# KiCad board px16_regfile.kicad_pcb
title: Pixie 16 register file; rev: 2
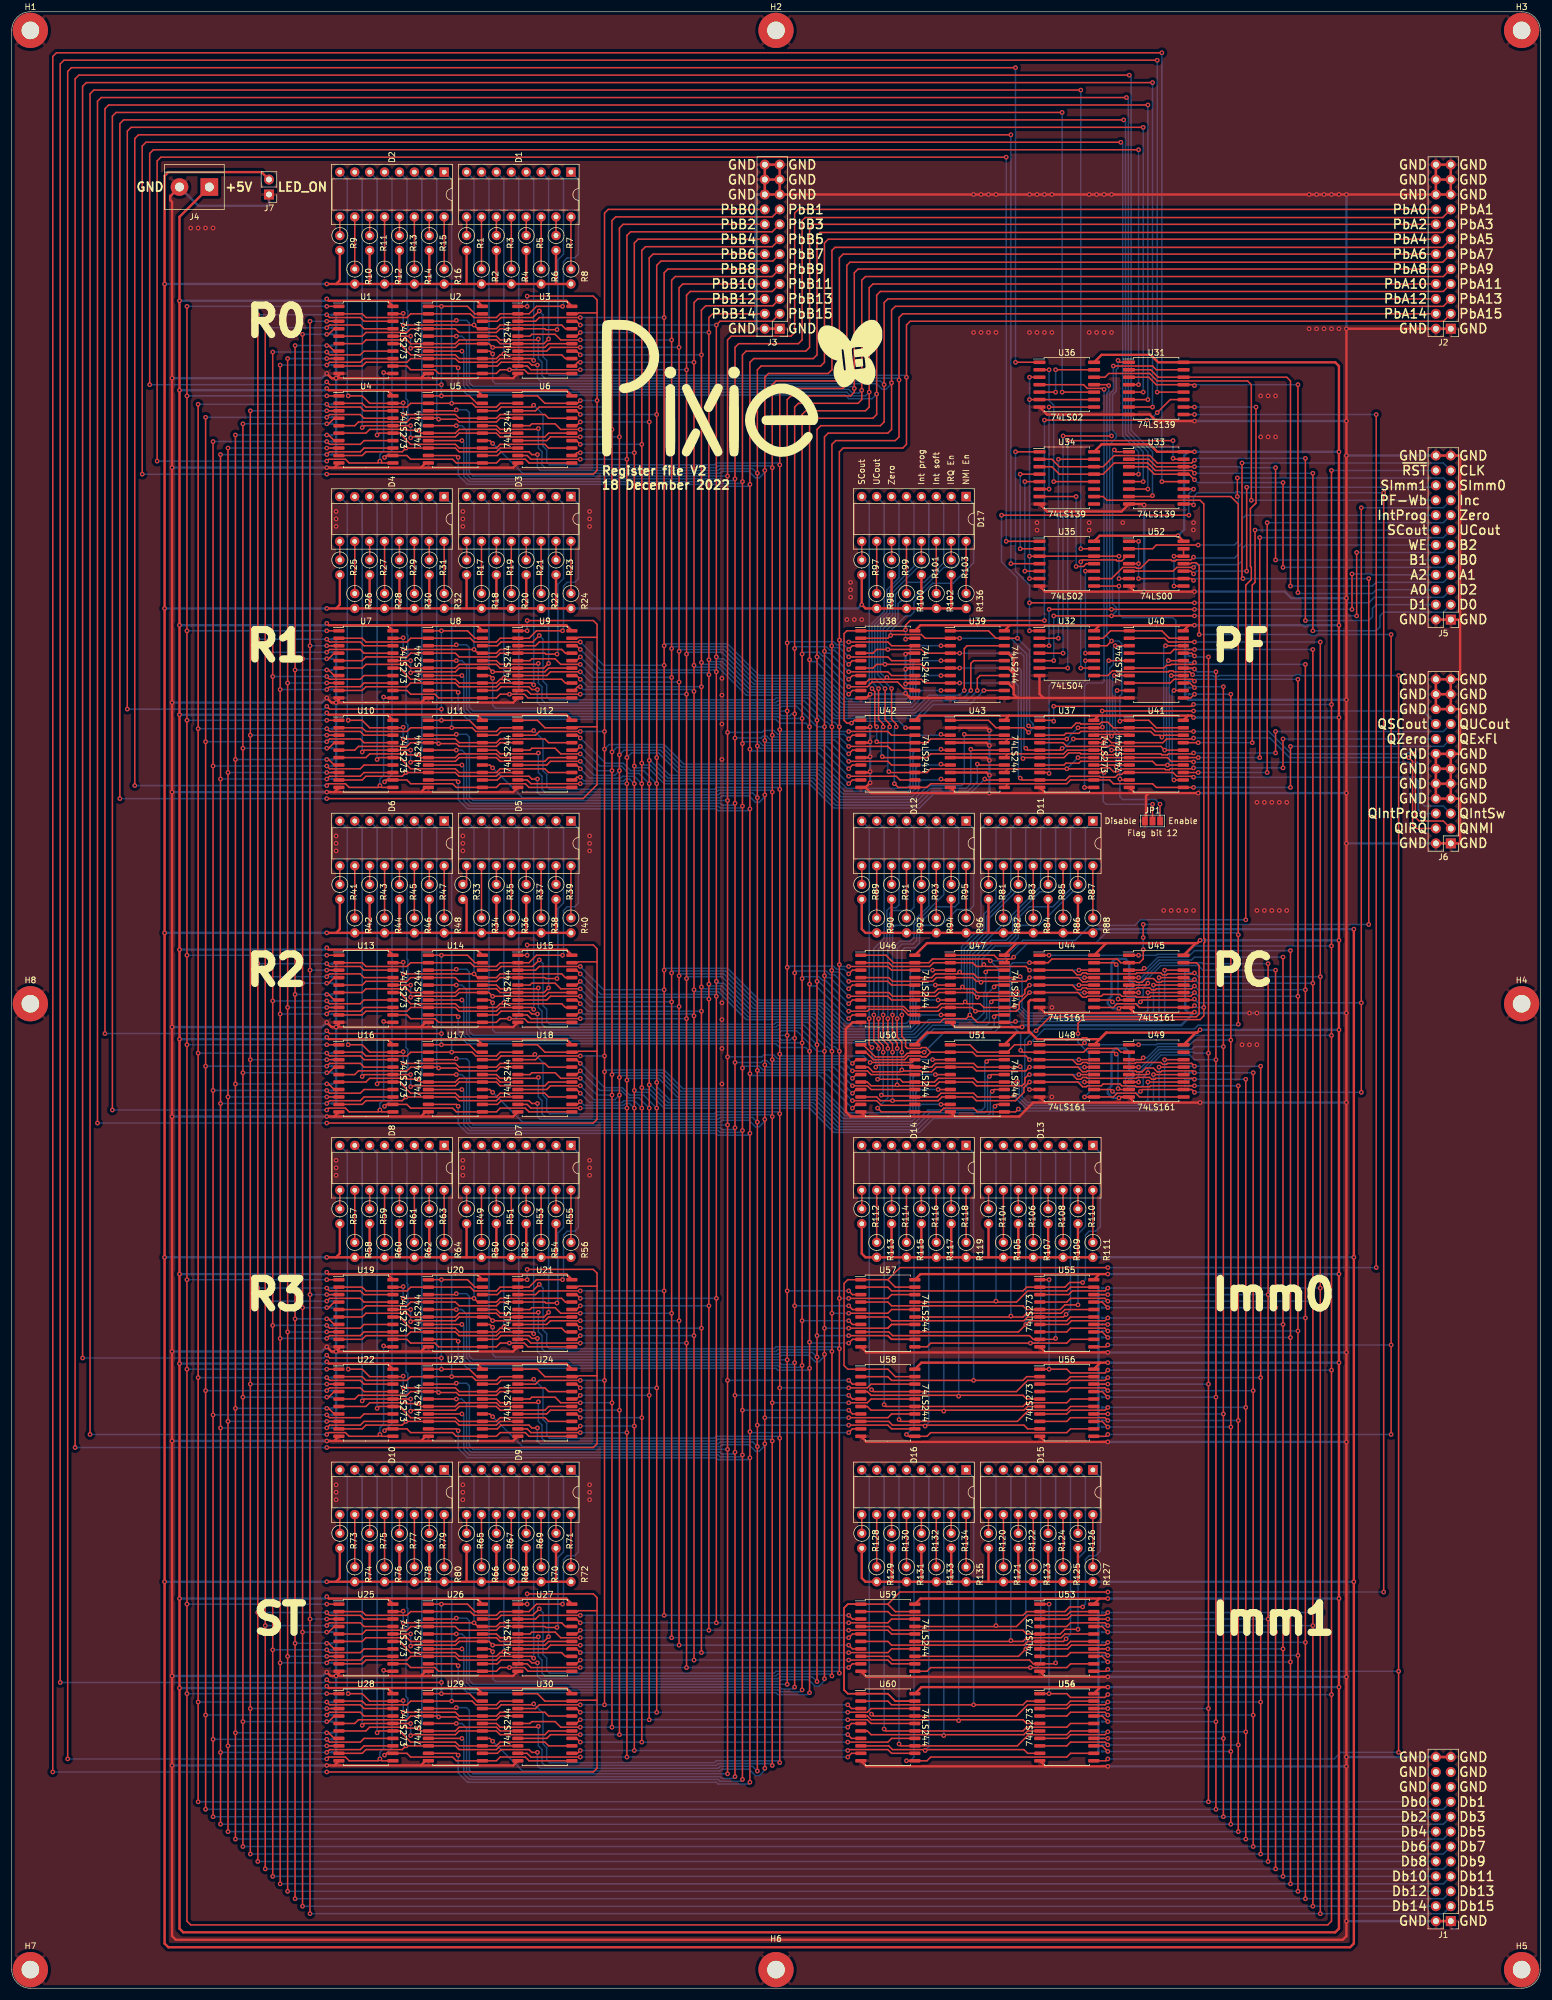
[diagram p0: board, top side]
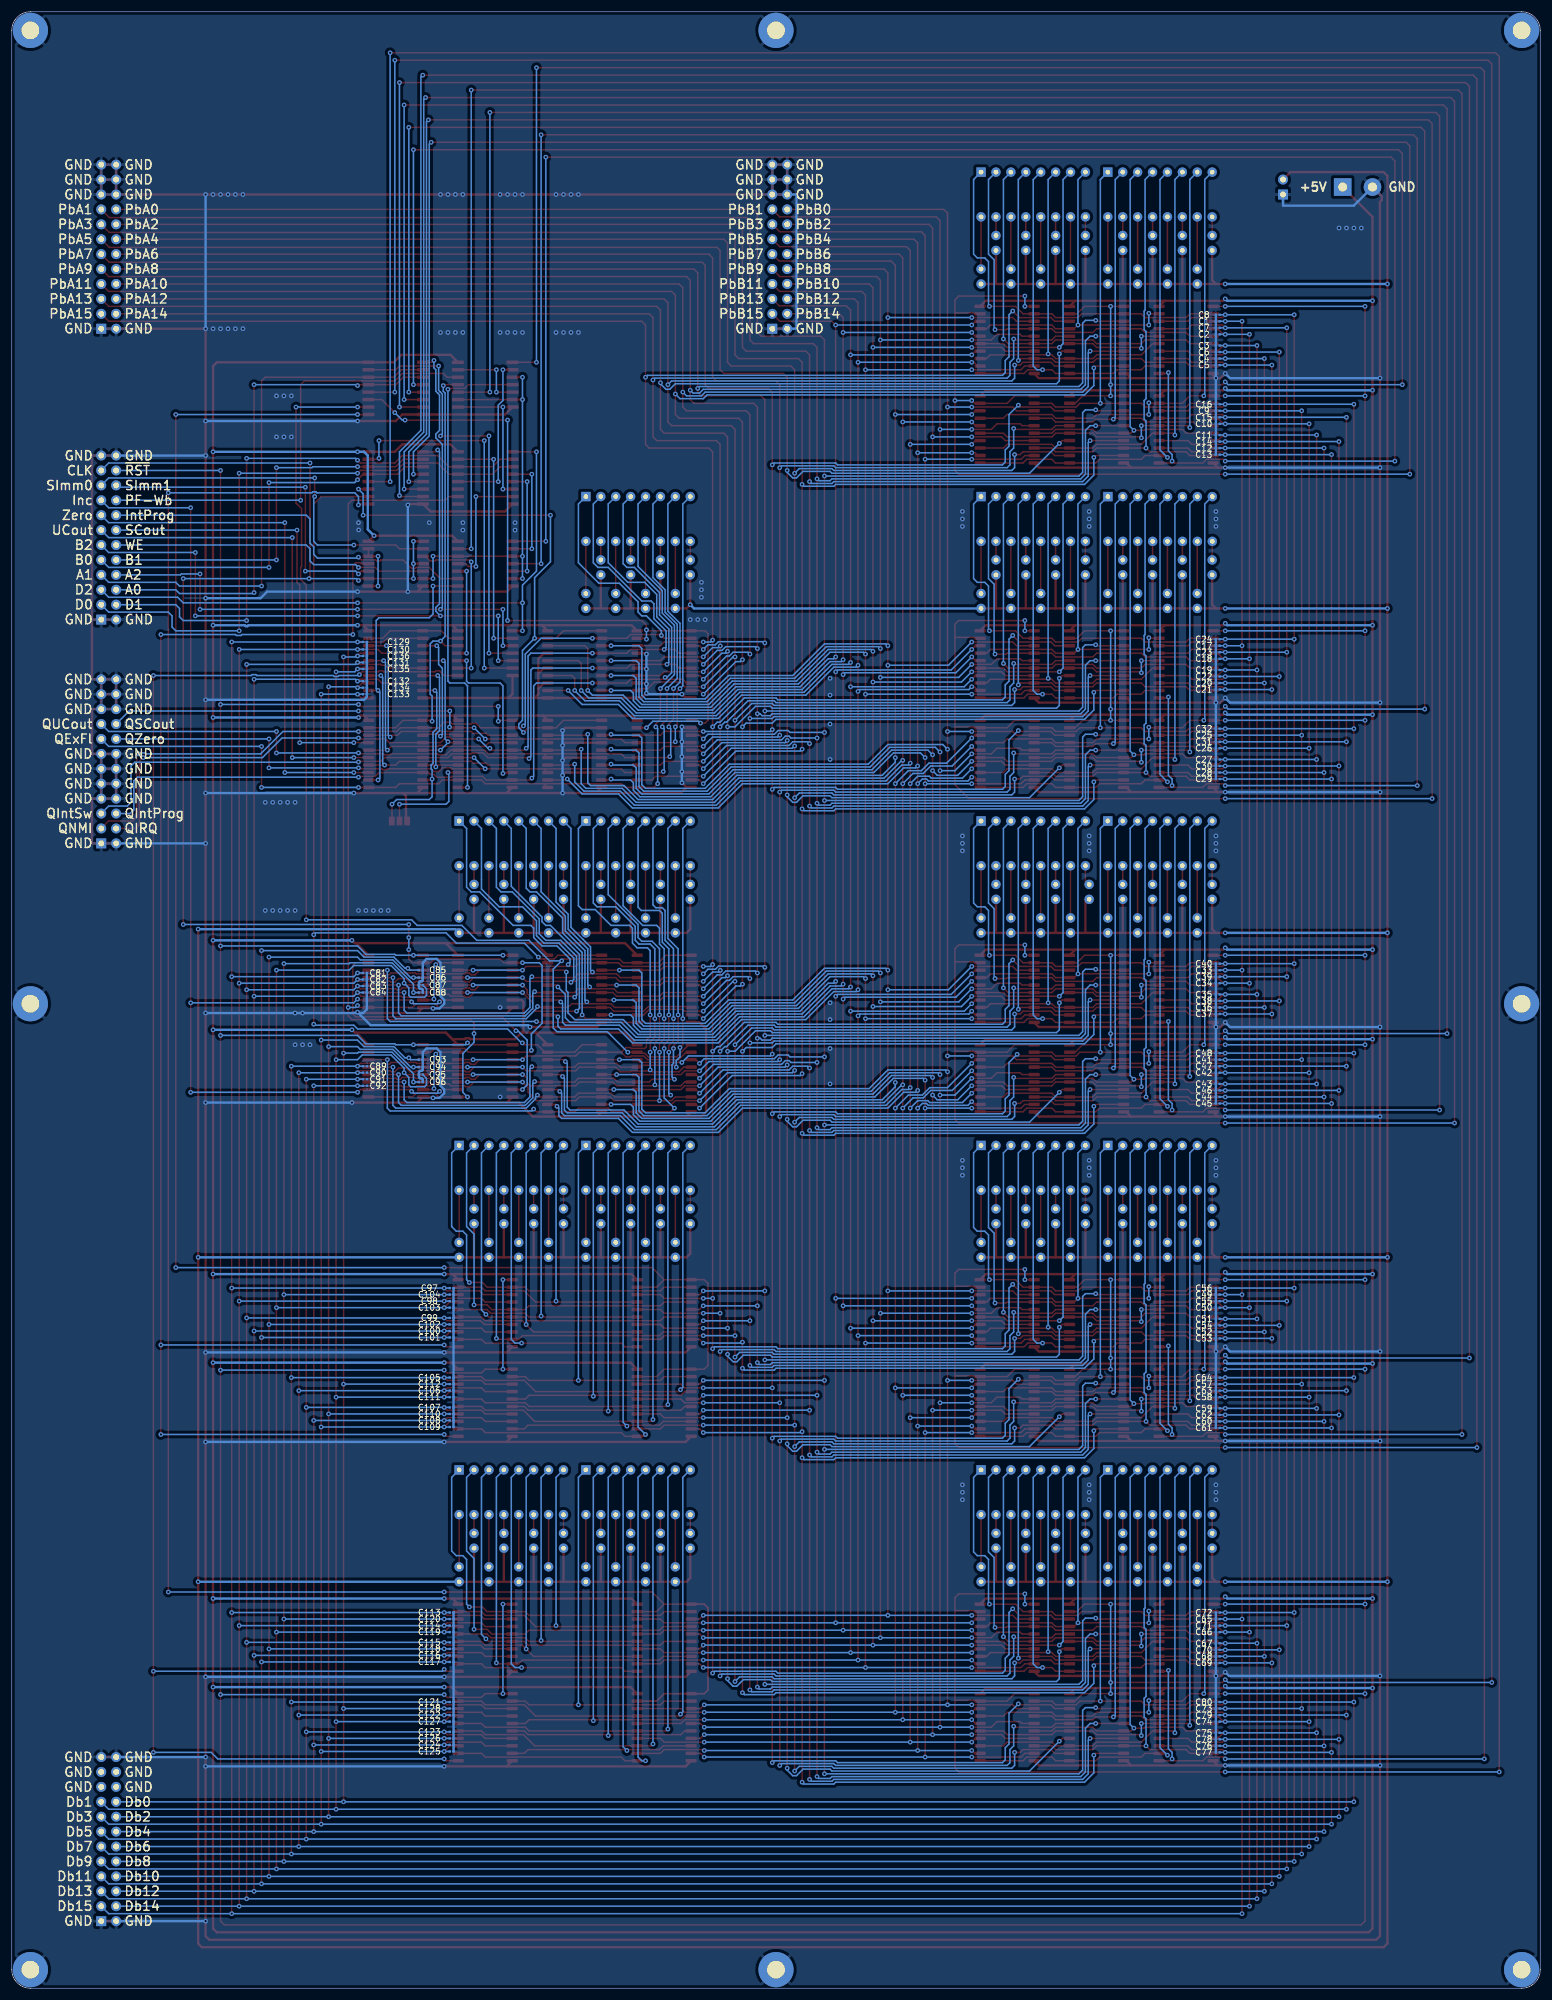
[diagram p1: board, bottom side, seen from below]

Outline 260.35 x 336.55 mm; copper layers: Top, Bottom. Coordinates in mm from the lower left corner of the outline.
Outline path: 0,333.38 arc(0.93,335.62) 3.18,336.55 257.18,336.55 arc(259.42,335.62) 260.35,333.38 260.35,3.18 arc(259.42,0.93) 257.18,0 3.18,0 arc(0.93,0.93) 0,3.18 0,333.38
Stack: Top 0.035mm / dielectric 1.51mm FR4 er 4.5 / Bottom 0.035mm

## Placement (name value [footprint] x y rotation side)
C1  C  [C_0201_0603Metric]  54.93 283.85 0 bottom
C2  C  [C_0201_0603Metric]  54.93 281.62 0 bottom
C3  C  [C_0201_0603Metric]  54.93 279.72 0 bottom
C4  C  [C_0201_0603Metric]  54.93 277.5 0 bottom
C5  C  [C_0201_0603Metric]  54.93 276.38 0 bottom
C6  C  [C_0201_0603Metric]  54.93 278.61 0 bottom
C7  C  [C_0201_0603Metric]  54.93 282.73 0 bottom
C8  C  [C_0201_0603Metric]  54.93 284.96 0 bottom
C9  C  [C_0201_0603Metric]  54.93 268.61 0 bottom
C10  C  [C_0201_0603Metric]  54.93 266.38 0 bottom
C11  C  [C_0201_0603Metric]  54.93 264.48 0 bottom
C12  C  [C_0201_0603Metric]  54.93 262.25 0 bottom
C13  C  [C_0201_0603Metric]  54.93 261.14 0 bottom
C14  C  [C_0201_0603Metric]  54.93 263.37 0 bottom
C15  C  [C_0201_0603Metric]  54.93 267.49 0 bottom
C16  C  [C_0201_0603Metric]  54.93 269.72 0 bottom
C17  C  [C_0201_0603Metric]  54.93 228.6 0 bottom
C18  C  [C_0201_0603Metric]  54.93 226.38 0 bottom
C19  C  [C_0201_0603Metric]  54.93 224.47 0 bottom
C20  C  [C_0201_0603Metric]  54.93 222.25 0 bottom
C21  C  [C_0201_0603Metric]  54.93 221.14 0 bottom
C22  C  [C_0201_0603Metric]  54.93 223.36 0 bottom
C23  C  [C_0201_0603Metric]  54.93 227.49 0 bottom
C24  C  [C_0201_0603Metric]  54.93 229.71 0 bottom
C25  C  [C_0201_0603Metric]  54.93 213.36 0 bottom
C26  C  [C_0201_0603Metric]  54.93 211.14 0 bottom
C27  C  [C_0201_0603Metric]  54.93 209.23 0 bottom
C28  C  [C_0201_0603Metric]  54.93 207.01 0 bottom
C29  C  [C_0201_0603Metric]  54.93 205.9 0 bottom
C30  C  [C_0201_0603Metric]  54.93 208.12 0 bottom
C31  C  [C_0201_0603Metric]  54.93 212.25 0 bottom
C32  C  [C_0201_0603Metric]  54.93 214.47 0 bottom
C33  C  [C_0201_0603Metric]  54.93 173.36 0 bottom
C34  C  [C_0201_0603Metric]  54.93 171.13 0 bottom
C35  C  [C_0201_0603Metric]  54.93 169.23 0 bottom
C36  C  [C_0201_0603Metric]  54.93 167.01 0 bottom
C37  C  [C_0201_0603Metric]  54.93 165.89 0 bottom
C38  C  [C_0201_0603Metric]  54.93 168.12 0 bottom
C39  C  [C_0201_0603Metric]  54.93 172.24 0 bottom
C40  C  [C_0201_0603Metric]  54.93 174.47 0 bottom
C41  C  [C_0201_0603Metric]  54.93 158.12 0 bottom
C42  C  [C_0201_0603Metric]  54.93 155.89 0 bottom
C43  C  [C_0201_0603Metric]  54.93 153.99 0 bottom
C44  C  [C_0201_0603Metric]  54.93 151.77 0 bottom
C45  C  [C_0201_0603Metric]  54.93 150.65 0 bottom
C46  C  [C_0201_0603Metric]  54.93 152.88 0 bottom
C47  C  [C_0201_0603Metric]  54.93 157 0 bottom
C48  C  [C_0201_0603Metric]  54.93 159.23 0 bottom
C49  C  [C_0201_0603Metric]  54.93 118.11 0 bottom
C50  C  [C_0201_0603Metric]  54.93 115.89 0 bottom
C51  C  [C_0201_0603Metric]  54.93 113.98 0 bottom
C52  C  [C_0201_0603Metric]  54.93 111.76 0 bottom
C53  C  [C_0201_0603Metric]  54.93 110.65 0 bottom
C54  C  [C_0201_0603Metric]  54.93 112.87 0 bottom
C55  C  [C_0201_0603Metric]  54.93 117 0 bottom
C56  C  [C_0201_0603Metric]  54.93 119.22 0 bottom
C57  C  [C_0201_0603Metric]  54.93 102.87 0 bottom
C58  C  [C_0201_0603Metric]  54.93 100.65 0 bottom
C59  C  [C_0201_0603Metric]  54.93 98.74 0 bottom
C60  C  [C_0201_0603Metric]  54.93 96.52 0 bottom
C61  C  [C_0201_0603Metric]  54.93 95.41 0 bottom
C62  C  [C_0201_0603Metric]  54.93 97.63 0 bottom
C63  C  [C_0201_0603Metric]  54.93 101.76 0 bottom
C64  C  [C_0201_0603Metric]  54.93 103.98 0 bottom
C65  C  [C_0201_0603Metric]  54.93 62.87 0 bottom
C66  C  [C_0201_0603Metric]  54.93 60.64 0 bottom
C67  C  [C_0201_0603Metric]  54.93 58.74 0 bottom
C68  C  [C_0201_0603Metric]  54.93 56.52 0 bottom
C69  C  [C_0201_0603Metric]  54.93 55.4 0 bottom
C70  C  [C_0201_0603Metric]  54.93 57.63 0 bottom
C71  C  [C_0201_0603Metric]  54.93 61.75 0 bottom
C72  C  [C_0201_0603Metric]  54.93 63.98 0 bottom
C73  C  [C_0201_0603Metric]  54.93 47.62 0 bottom
C74  C  [C_0201_0603Metric]  54.93 45.4 0 bottom
C75  C  [C_0201_0603Metric]  54.93 43.5 0 bottom
C76  C  [C_0201_0603Metric]  54.93 41.28 0 bottom
C77  C  [C_0201_0603Metric]  54.93 40.16 0 bottom
C78  C  [C_0201_0603Metric]  54.93 42.39 0 bottom
C79  C  [C_0201_0603Metric]  54.93 46.51 0 bottom
C80  C  [C_0201_0603Metric]  54.93 48.74 0 bottom
C81  C  [C_0201_0603Metric]  200.18 172.88 180 bottom
C82  C  [C_0201_0603Metric]  200.19 171.77 180 bottom
C83  C  [C_0201_0603Metric]  200.18 170.66 180 bottom
C84  C  [C_0201_0603Metric]  200.18 169.55 180 bottom
C85  C  [C_0201_0603Metric]  190.66 173.36 180 bottom
C86  C  [C_0201_0603Metric]  190.66 172.09 180 bottom
C87  C  [C_0201_0603Metric]  190.66 170.82 0 bottom
C88  C  [C_0201_0603Metric]  190.66 169.55 180 bottom
C89  C  [C_0201_0603Metric]  200.18 157 180 bottom
C90  C  [C_0201_0603Metric]  200.18 155.89 180 bottom
C91  C  [C_0201_0603Metric]  200.18 154.78 180 bottom
C92  C  [C_0201_0603Metric]  200.18 153.67 180 bottom
C93  C  [C_0201_0603Metric]  190.66 158.12 180 bottom
C94  C  [C_0201_0603Metric]  190.66 156.85 180 bottom
C95  C  [C_0201_0603Metric]  190.66 155.58 0 bottom
C96  C  [C_0201_0603Metric]  190.66 154.31 180 bottom
C97  C  [C_0201_0603Metric]  185.42 119.22 180 bottom
C98  C  [C_0201_0603Metric]  185.42 117 180 bottom
C99  C  [C_0201_0603Metric]  185.42 114.14 180 bottom
C100  C  [C_0201_0603Metric]  185.42 111.92 180 bottom
C101  C  [C_0201_0603Metric]  185.42 110.81 180 bottom
C102  C  [C_0201_0603Metric]  185.42 113.03 180 bottom
C103  C  [C_0201_0603Metric]  185.42 115.89 180 bottom
C104  C  [C_0201_0603Metric]  185.42 118.11 180 bottom
C105  C  [C_0201_0603Metric]  185.42 103.98 180 bottom
C106  C  [C_0201_0603Metric]  185.42 101.76 180 bottom
C107  C  [C_0201_0603Metric]  185.42 98.9 180 bottom
C108  C  [C_0201_0603Metric]  185.42 96.68 180 bottom
C109  C  [C_0201_0603Metric]  185.42 95.57 180 bottom
C110  C  [C_0201_0603Metric]  185.42 97.79 180 bottom
C111  C  [C_0201_0603Metric]  185.42 100.65 180 bottom
C112  C  [C_0201_0603Metric]  185.42 102.87 180 bottom
C113  C  [C_0201_0603Metric]  185.42 63.98 180 bottom
C114  C  [C_0201_0603Metric]  185.42 61.75 180 bottom
C115  C  [C_0201_0603Metric]  185.42 58.9 180 bottom
C116  C  [C_0201_0603Metric]  185.42 56.67 180 bottom
C117  C  [C_0201_0603Metric]  185.42 55.56 180 bottom
C118  C  [C_0201_0603Metric]  185.42 57.79 180 bottom
C119  C  [C_0201_0603Metric]  185.42 60.64 180 bottom
C120  C  [C_0201_0603Metric]  185.42 62.87 180 bottom
C121  C  [C_0201_0603Metric]  185.42 48.74 180 bottom
C122  C  [C_0201_0603Metric]  185.42 46.51 180 bottom
C123  C  [C_0201_0603Metric]  185.42 43.66 180 bottom
C124  C  [C_0201_0603Metric]  185.42 41.43 180 bottom
C125  C  [C_0201_0603Metric]  185.42 40.32 180 bottom
C126  C  [C_0201_0603Metric]  185.42 42.55 180 bottom
C127  C  [C_0201_0603Metric]  185.42 45.4 180 bottom
C128  C  [C_0201_0603Metric]  185.42 47.62 180 bottom
C129  C  [C_0201_0603Metric]  200.18 229.24 180 bottom
C130  C  [C_0201_0603Metric]  200.18 227.97 180 bottom
C131  C  [C_0201_0603Metric]  200.18 225.74 180 bottom
C132  C  [C_0201_0603Metric]  200.18 222.57 180 bottom
C133  C  [C_0201_0603Metric]  200.18 220.35 180 bottom
C134  C  [C_0201_0603Metric]  200.18 221.46 180 bottom
C135  C  [C_0201_0603Metric]  200.18 224.63 180 bottom
C136  C  [C_0201_0603Metric]  200.18 226.85 180 bottom
D1  LED_Bar_Graph_8  [DIP-16_W7.62mm_Socket]  95.25 309.25 270 top
D2  LED_Bar_Graph_8  [DIP-16_W7.62mm_Socket]  73.66 309.25 270 top
D3  LED_Bar_Graph_8  [DIP-16_W7.62mm_Socket]  95.25 254 270 top
D4  LED_Bar_Graph_8  [DIP-16_W7.62mm_Socket]  73.65 253.99 270 top
D5  LED_Bar_Graph_8  [DIP-16_W7.62mm_Socket]  95.25 198.76 270 top
D6  LED_Bar_Graph_8  [DIP-16_W7.62mm_Socket]  73.66 198.76 270 top
D7  LED_Bar_Graph_8  [DIP-16_W7.62mm_Socket]  95.25 143.51 270 top
D8  LED_Bar_Graph_8  [DIP-16_W7.62mm_Socket]  73.66 143.51 270 top
D9  LED_Bar_Graph_8  [DIP-16_W7.62mm_Socket]  95.25 88.27 270 top
D10  LED_Bar_Graph_8  [DIP-16_W7.62mm_Socket]  73.66 88.27 270 top
D11  LED_Bar_Graph_8  [DIP-16_W7.62mm_Socket]  184.15 198.76 270 top
D12  LED_Bar_Graph_8  [DIP-16_W7.62mm_Socket]  162.56 198.76 270 top
D13  LED_Bar_Graph_8  [DIP-16_W7.62mm_Socket]  184.15 143.51 270 top
D14  LED_Bar_Graph_8  [DIP-16_W7.62mm_Socket]  162.56 143.51 270 top
D15  LED_Bar_Graph_8  [DIP-16_W7.62mm_Socket]  184.15 88.27 270 top
D16  LED_Bar_Graph_8  [DIP-16_W7.62mm_Socket]  162.56 88.27 270 top
D17  LED_Bar_Graph_8  [DIP-16_W7.62mm_Socket]  162.56 254 270 top
G***  -  [LOGO]  125.73 272.42 0 top
H1  MountingHole_Pad  [MountingHole_3mm_Pad]  3.18 333.38 0 top
H2  MountingHole_Pad  [MountingHole_3mm_Pad]  130.17 333.38 0 top
H3  MountingHole_Pad  [MountingHole_3mm_Pad]  257.18 333.38 0 top
H4  MountingHole_Pad  [MountingHole_3mm_Pad]  257.18 167.64 0 top
H5  MountingHole_Pad  [MountingHole_3mm_Pad]  257.18 3.18 0 top
H6  MountingHole_Pad  [MountingHole_3mm_Pad]  130.17 3.18 0 top
H7  MountingHole_Pad  [MountingHole_3mm_Pad]  3.18 3.18 0 top
H8  MountingHole_Pad  [MountingHole_3mm_Pad]  3.18 167.64 0 top
J1  Conn_02x12_Odd_Even  [PinHeader_2x12_P2.54mm_Vertical]  245.11 11.43 180 top
J2  Conn_02x12_Odd_Even  [PinHeader_2x12_P2.54mm_Vertical]  245.11 282.58 180 top
J3  Conn_02x12_Odd_Even  [PinHeader_2x12_P2.54mm_Vertical]  130.81 282.58 180 top
J4  Screw_Terminal_01x02  [TerminalBlock_bornier-2_P5.08mm]  33.66 306.71 180 top
J5  Conn_02x12_Odd_Even  [PinHeader_2x12_P2.54mm_Vertical]  245.11 233.05 180 top
J6  Conn_02x12_Odd_Even  [PinHeader_2x12_P2.54mm_Vertical]  245.11 194.95 180 top
J7  Conn_01x02_Male  [PinHeader_1x02_P2.54mm_Vertical]  43.82 305.44 180 top
JP1  SolderJumper_3_Open  [SolderJumper-3_P1.3mm_Open_Pad1.0x1.5mm_NumberLabels]  194.31 198.76 0 top
R1  R  [R_Axial_DIN0207_L6.3mm_D2.5mm_P2.54mm_Vertical]  77.47 298.45 270 top
R2  R  [R_Axial_DIN0207_L6.3mm_D2.5mm_P2.54mm_Vertical]  80.01 292.74 270 top
R3  R  [R_Axial_DIN0207_L6.3mm_D2.5mm_P2.54mm_Vertical]  82.55 298.45 270 top
R4  R  [R_Axial_DIN0207_L6.3mm_D2.5mm_P2.54mm_Vertical]  85.09 292.74 270 top
R5  R  [R_Axial_DIN0207_L6.3mm_D2.5mm_P2.54mm_Vertical]  87.63 298.45 270 top
R6  R  [R_Axial_DIN0207_L6.3mm_D2.5mm_P2.54mm_Vertical]  90.17 292.74 270 top
R7  R  [R_Axial_DIN0207_L6.3mm_D2.5mm_P2.54mm_Vertical]  92.71 298.45 270 top
R8  R  [R_Axial_DIN0207_L6.3mm_D2.5mm_P2.54mm_Vertical]  95.25 292.74 270 top
R9  R  [R_Axial_DIN0207_L6.3mm_D2.5mm_P2.54mm_Vertical]  55.88 298.45 270 top
R10  R  [R_Axial_DIN0207_L6.3mm_D2.5mm_P2.54mm_Vertical]  58.42 292.74 270 top
R11  R  [R_Axial_DIN0207_L6.3mm_D2.5mm_P2.54mm_Vertical]  60.96 298.45 270 top
R12  R  [R_Axial_DIN0207_L6.3mm_D2.5mm_P2.54mm_Vertical]  63.5 292.74 270 top
R13  R  [R_Axial_DIN0207_L6.3mm_D2.5mm_P2.54mm_Vertical]  66.04 298.45 270 top
R14  R  [R_Axial_DIN0207_L6.3mm_D2.5mm_P2.54mm_Vertical]  68.58 292.74 270 top
R15  R  [R_Axial_DIN0207_L6.3mm_D2.5mm_P2.54mm_Vertical]  71.12 298.45 270 top
R16  R  [R_Axial_DIN0207_L6.3mm_D2.5mm_P2.54mm_Vertical]  73.66 292.74 270 top
R17  R  [R_Axial_DIN0207_L6.3mm_D2.5mm_P2.54mm_Vertical]  77.47 243.21 270 top
R18  R  [R_Axial_DIN0207_L6.3mm_D2.5mm_P2.54mm_Vertical]  80.01 237.49 270 top
R19  R  [R_Axial_DIN0207_L6.3mm_D2.5mm_P2.54mm_Vertical]  82.55 243.21 270 top
R20  R  [R_Axial_DIN0207_L6.3mm_D2.5mm_P2.54mm_Vertical]  85.09 237.49 270 top
R21  R  [R_Axial_DIN0207_L6.3mm_D2.5mm_P2.54mm_Vertical]  87.63 243.21 270 top
R22  R  [R_Axial_DIN0207_L6.3mm_D2.5mm_P2.54mm_Vertical]  90.17 237.49 270 top
R23  R  [R_Axial_DIN0207_L6.3mm_D2.5mm_P2.54mm_Vertical]  92.71 243.21 270 top
R24  R  [R_Axial_DIN0207_L6.3mm_D2.5mm_P2.54mm_Vertical]  95.25 237.49 270 top
R25  R  [R_Axial_DIN0207_L6.3mm_D2.5mm_P2.54mm_Vertical]  55.88 243.21 270 top
R26  R  [R_Axial_DIN0207_L6.3mm_D2.5mm_P2.54mm_Vertical]  58.42 237.49 270 top
R27  R  [R_Axial_DIN0207_L6.3mm_D2.5mm_P2.54mm_Vertical]  60.96 243.21 270 top